# KiCad board Soldered Inkplate 4 TEMPERA with glass panel_panel.kicad_pcb (continued)
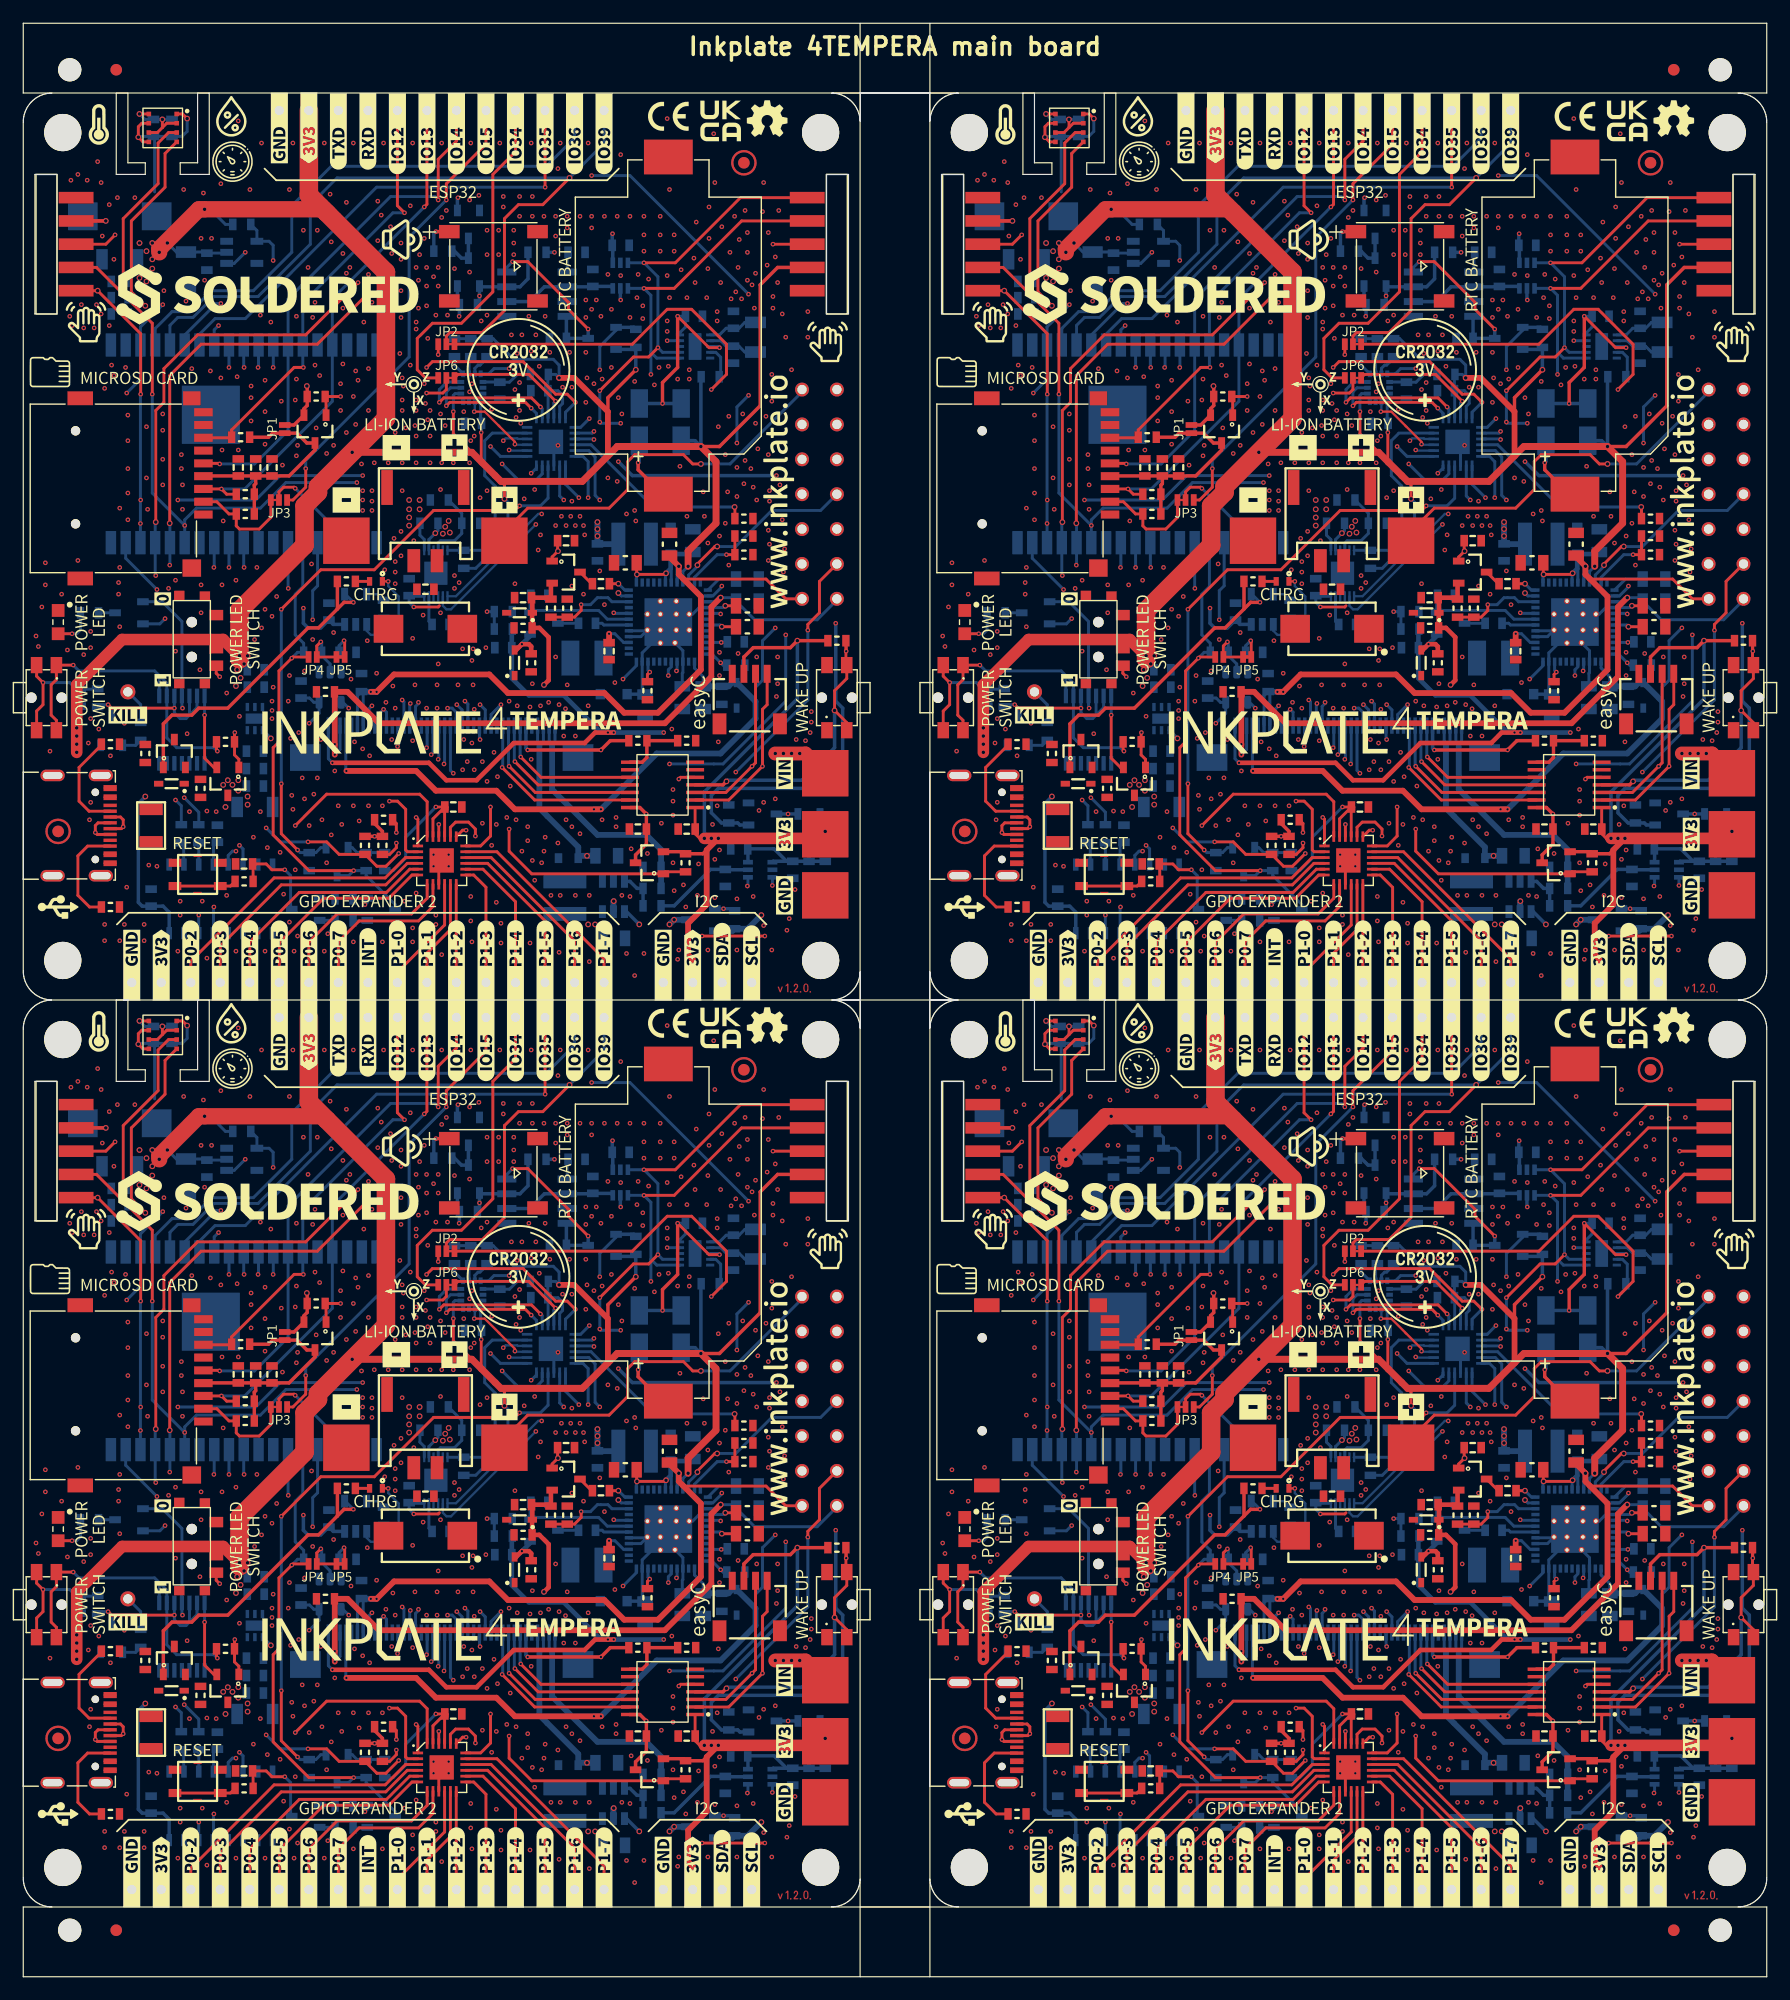
[diagram p0: board, top side]
## Routing (per net, layer and track width the routed paths; a pad name or vN(x,y) marks a point on that pad's centre or on a via; arc(x,y) is an arc through that point) (continued)
Board_2-VIN: length 153.3
  Top w0.5: C9#3.2 v1(50.4,37.5)
  Top w1.2: PAD3#2.1 67.3,27.2 v2(64.7,27.2)
  In2.Cu w0.4: v1(60.05,36.75) 60.9,35.9 60.9,31.7 58.9,29.7 56.9,29.7
  In2.Cu w0.5: v2(63.5,13.3) 63.5,18.1 66.7,21.3 66.7,25.2 v2(64.7,27.2) ; v1(50.4,37.5) 50.2,37.7 48.9,37.7
  In2.Cu w1.2: v2(18,24.5) 18,24.9 28.5,35.4 33.9,35.4 36.2,37.7 ; v2(49.4,47.1) 63.7,61.4 68.6,61.4 70,60 K1#4.7 ; v2(49.4,47.1) 49.4,45 47.4,43 41.5,43 36.2,37.7 ; v2(49.4,47.1) v2(49.4,46.5) ; 36.2,37.7 48.9,37.7 59.4,27.2 66.6,27.2
  Bottom w0.254: v1(60.05,36.75) 60.1,36.8 C6#4.2 60.52,36.75 v1(60.05,36.75) ; v1(60.05,36.75) U1#2.10 ; v1(50.4,37.5) 50.9,37.5 51.65,36.75 U1#2.27
  Bottom w0.3: U3.4 21.29,28.5 v2(21.3,28.5)
  Bottom w0.5: v2(63.5,13.3) 62.33,12.12 R53#2.2 61.03,11.95 Q12#2.2 ; v2(49.4,47.1) C10#3.2 49.43,45.2 L2#3.1
  vias: v2(17.2,24.5) v2(17.4,22.6) v2(17.6,24.9) v2(18.5,24.9) v2(18.5,24) v2(19.3,23.5) v2(19.3,22.8) v2(49.4,45.9) v2(65.4,27.2) v2(66.1,27.2) v2(66.8,27.2)
Board_2-VIN_BCK: length 11
  In1.Cu w0.5: v2(48.6,12.5) v2(53,12.5) v2(55.6,12.5) v2(56,12.9)
  Bottom w0.3: v2(53,12.5) 51.9,13.6 U12.4
  Bottom w0.5: Q12#2.3 v2(56,12.9) v2(55.6,12.5)
  vias: v2(49.2,12.5)
Board_2-VNEG: length 65.1
  Top w0.5: v2(60,40.6) 59.2,39.8 59.2,33.8 55.2,29.8 30.6,29.8 27.9,32.5 R6#3.1 26.8,32.47 v1(26.8,28) v1(26.8,27.1)
  Bottom w0.254: K1#4.1 70,40.4 68.3,38.7 62.92,38.7 C2#4.2 61.03,40.6 59.8,40.6 ; 59.8,40.6 v2(60,40.6) ; 59.8,40.6 59.45,40.25 U1#2.3 ; K12#2.38 27.25,27.55 v1(26.8,27.1) ; v1(26.8,28) 26.75,28.05 K12#2.39
Board_2-VPOS: length 62.7
  Top w0.254: 56.75,42.25 56.8,42.2 63.9,42.2 65.6,40.5 K1#4.14
  Top w0.5: 55.5,44.2 v2(56.4,43.3) 56.4,42.6 58.3,40.7 58.3,34.4 54.6,30.7 51.7,30.7 50,32.4 41.7,32.4 40.1,34 31.9,34 v1(30.4,32.5) v1(29.9,32.5)
  Bottom w0.254: v2(56.4,43.3) 56.25,43.15 U1#2.44 ; K12#2.35 28.75,32.18 R7#4.1 29.25,32.38 K12#2.34
  Bottom w0.5: v1(30.4,32.5) 29.13,32.5 R7#4.1
Board_2-VSYS: length 36.4
  In2.Cu w1.2: 33,48.6 v1(24.1,39.7) 20.5,36.1 20.5,33.7 15.7,28.9 v1(14.1,28.9)
  Bottom w0.254: R24#3.1 34.13,45.97 34.5,45.6 U5#4.7
  Bottom w0.3: U2#2.3 26.67,38.3 C67#4.2 26.27,38.67 25.6,38 24.5,38 24.1,38.4 v1(24.1,39.7)
  vias: v2(33.2,49) v2(33.2,48.2) v2(33.2,47.5) v2(33.2,46.8) v2(34.1,49) v2(34.1,48.2)
Board_2-VUSB: length 42
  Top w0.3: Q7#3.1 12.05,29.75 12.8,30.5 14.5,30.5 15.1,31.1 17.6,31.1 24.5,38 25.4,38 27.03,39.62 ; 27.03,39.62 R19#3.1 ; 27.03,39.62 27.6,40.2 v1(28.4,40.2)
  Bottom w0.254: v1(28.4,40.2) 27.7,40.9 U2#2.4
  Bottom w0.3: v2(10.5,23.5) 9.9,22.9 9.9,14.4 10.23,14.07 C32#2.2 12.03,14.07 12.56,13.54 U6#2.16
Board_2-WAKEUP: length 28.5
  Top w0.254: R3#4.1 61.23,48.38 v2(61.2,48.4)
  In1.Cu w0.254: v1(60,39.2) 60.7,39.2 61.6,40.1 61.6,48 v2(61.2,48.4)
  Bottom w0.254: v1(60,39.2) 59.95,39.25 U1#2.5 ; v2(61.2,48.4) 54.2,48.4 48.85,53.75 U13#2.4
Board_3-3V3: length 447
  Top w0.254: v1(118.2,22.6) 118.2,20.1 117.35,19.25 U15#3.18 ; U15#3.21 114.25,22.38 114.47,22.6 114.47,22.37 ; v2(89.97,81.73) 89.97,81.03 ; 89.97,81.03 89.54,80.6 U19#3.6 ; 89.97,81.03 90.34,81.4 U19#3.2 ; v1(113.5,22.6) C59#2.2 113.25,21.58 U15#3.23 ; 118.6,51.1 119.4,50.3 v2(119.4,49.1) ; U19#3.8 v2(88,82.2) ; 117.45,52.25 117.4,52.3 v1(117.4,54.8) ; v1(115,56.6) 115,54.7 116.6,53.1 ; v2(136.6,19.9) 136.2,19.9 135.81,20.29 C42.2 135.8,20.71 U10#4.1
  Top w0.3: 136.8,18.9 136.48,18.57 R52#3.1 134.8,18.75 Q11#2.2 ; v2(102.4,58.8) 102.43,58.78 R39#3.1 102.43,57.12 102.15,56.85 Q8#3.2 101.3,55.45 JP1#2.2 ; v2(130.7,60.2) 128.3,57.8 128.3,56.6 ; R41.2 v2(144.6,36.9) 144,36.3 140.8,36.3 140,35.5 K4.3 ; 89.13,69.72 v2(89.1,69.7) ; R55#2.1 108.23,21.18 108.9,20.5 R1#4.2 R2#2.2 ; K43#2.4 142.9,69 141.4,67.5 141.4,57.1 137.9,53.6 v2(136.3,53.6)
  Top w0.32: K42.4 v2(85.1,73)
  Top w0.5: v2(137.8,19.9) 136.8,18.9 136.8,14.2 135.2,12.6 135.2,9.9 135.59,9.51 K5#2.1 ; v2(124.1,59.5) 125.4,59.5 128.3,56.6 128.3,52.8
  Top w0.6: v2(106.3,53.1) 116.6,53.1 119.1,50.6 126.1,50.6 129.1,53.6 v2(136.3,53.6) 137.6,52.3 137.6,47 135.2,44.6 v2(135.2,43.3)
  Top w1: v2(136.6,19.9) 146.65,19.9 PAD4#3.1 ; v2(82.6,27.3) 82.6,33.1 86.5,37 95.2,37 v2(96.6,35.6)
  Top w1.4: v2(89.7,70.3) 89.7,70.6 93.1,74 v2(93.6,74) 103.8,74 104.1,73.7
  Top w1.6: K13.1 102.57,75.23 109.2,68.6 109.2,56 103.35,50.15 103.35,49.65 102.2,48.5 102.2,45.1 96.6,39.5 96.6,35.3
  In1.Cu w0.254: v2(93.6,74) 92.5,74 89.97,76.53 v2(89.97,81.73)
  In1.Cu w0.3: v2(93.6,74) 93.3,73.7 85.8,73.7 v2(85.1,73) ; v2(106.3,53.1) 102.4,57 v2(102.4,58.8)
  In1.Cu w1: 88.5,16.1 104.1,16.1 110.6,22.6 v1(113.5,22.6) 125.1,22.6 127.8,19.9 v2(137.8,19.9) ; 88.5,16.1 89.87,14.73 K22#3.1 ; 88.5,16.1 85.3,19.3 83.1,19.3 82.6,19.8 v2(82.6,29.4)
  Bottom w0.254: U4#3.2 95.43,70.23 C27#4.2 93.71,70.33 C25#3.2 91.18,70.33 v2(90.4,71.1) ; U17#4.5 118.98,59.15 C61#4.2 119.83,59.13 120.4,59.7 120.4,60.6 120.9,61.1 ; U13#3.23 124.15,57.05 124.4,57.3 124.4,58 124,58.4 123.03,58.4 123.15,58.28 U13#3.21 ; U17#4.8 117.35,55.68 C63.2 117.43,54.83 v1(117.4,54.8) ; 120.9,61.1 123.6,61.1 124.1,60.6 v2(124.1,59.5) 123.8,59.8 R54#4.1 123.13,59.75 C53.2 ; 120.9,61.1 120.2,61.1 118.43,62.88 R58.1 R56#4.1 ; v2(88,82.2) 88.47,81.73 C64#3.2 C65#3.2 ; v1(115,56.6) 115,58 115.15,58.15 U17#4.12 ; R21#2.2 109.83,17.12 110.9,18.2 110.9,20 v1(113.5,22.6) ; v2(93.6,74) 94.1,74 95.4,72.7 R27#3.2 ; U1#3.45 134.75,42.85 v2(135.2,43.3) ; v2(119.4,49.1) 119.7,48.8 119.7,45.9 116.93,43.12 R26#4.1
  Bottom w0.3: v2(130.7,60.2) R60#3.1 130.53,61.95 Q13#3.2 ; R40#4.2 136.3,59.58 v2(136.3,53.6) 135.8,54.1 D11#2.1 135.7,54.1 ; Q9#2.2 146.55,20.95 v2(147,20.5) ; v2(136.6,19.9) 136.6,23.9 144.6,31.9 v2(144.6,36.9)
  vias: v1(108.23,20.07) v2(82.6,28.7) v2(82.6,28) v2(88,71.1) v2(88,68.1) v2(88.6,70.4) v2(88.6,67.8) v2(89.1,71.1) v2(89.1,68.9) v2(96.3,33) v2(96.4,34.4) v2(96.7,33.7) v2(97,34.9) v2(97.3,35.6) v2(137.2,19.9)
Board_3-3V3-EINK: length 81.9
  Top w0.254: v2(137.7,45) 137.5,45 136,43.5 v2(136,43.4)
  In1.Cu w0.254: v1(102.6,29.8) 102.6,26.8 104.3,25.1 113.8,25.1 116.1,27.4
  In1.Cu w0.5: v1(109,31) 110.9,29.1 113.7,29.1 115.4,27.4 117.7,27.4 120.5,30.2 126.5,30.2 128.4,32.1 131.7,32.1 132.7,33.1 132.7,34.5 133.3,35.1 134.9,35.1 136.4,36.6 136.4,43 v2(136,43.4)
  Bottom w0.254: K12#3.31 108.75,30.75 v1(109,31) 109.25,30.75 K12#3.30 ; K1.4 146.6,48.1 142.4,48.1 139.3,45 v2(137.7,45) ; U1#3.46 135.25,42.55 136,43.3 v2(136,43.4) ; v1(102.6,29.8) 103.45,30.65 U11.5 103,31.6 102.63,31.97 C51.2
Board_3-3V3_BUZZER: length 42.8
  Top w0.254: v1(126.6,63.7) 124.9,65.4 124.9,66 121.4,69.5 v1(120.1,69.5)
  In1.Cu w0.3: v1(115.5,64.8) 116.6,63.7 v1(126.6,63.7) 128,63.7 130.1,65.8 130.1,70.5 v1(128.7,71.9)
  Bottom w0.254: v1(120.1,69.5) 119.6,69 U18#4.4
  Bottom w0.3: U16.1 128.72,70.85 C60#4.2 128.67,71.87 v1(128.7,71.9) ; Q14.2 115.35,65.97 R61#3.2 115.53,64.83 v1(115.5,64.8) ; U18#4.8 124.73,64.72 C66#2.2 Q13#3.3 v1(126.6,63.7)
Board_3-3V3_MICROSD: length 20.6
  Top w0.3: K10.4 93.52,51.07 C41#3.2 C40#3.2 ; C40#3.2 98,50.4 97.88,50.28 R43#3.2 R42.2 ; C40#3.2 C39.2 100.87,51.07 103.1,53.3 Q8#3.3 102.4,53.9 101.55,54.75 JP1#2.1 99.45,54.75 99.1,54.4 R44.2
Board_3-3V3_RTC: length 19.7
  Top w0.254: v1(134.3,64.8) 137,62.1 v1(137.9,62.1)
  Top w0.3: v1(133,57.3) 133,59.1 134.3,60.4 v1(134.3,64.8)
  Bottom w0.254: v1(137.9,62.1) 137.8,62.2 U8#4.3 ; U8#4.10 134.5,63.4 134.97,63.87 C38.2 v1(134.3,64.8)
  Bottom w0.3: D12#4.2 D11#2.2
Board_3-3V3_TOUCH: length 24.5
  Top w0.3: U10#4.14 131.05,22.55 131.61,21.99 C49#3.1 131.61,19.41 130.68,18.48 Q11#2.3 ; R46.2 128.5,28.3 v1(127.7,27.5) v1(121.4,27.5)
  In2.Cu w0.3: v1(131.6,22) 131.6,23.6 v1(127.7,27.5)
  Bottom w0.3: v1(121.4,27.5) 121.25,27.65 K12#3.6
Board_3-/CTRL & COMS/BIN: length 6.3
  Bottom w0.254: U5#3.10 113.7,45.3 113.9,45.5 115.1,45.5 115.73,46.12 R28#4.1 115.73,47.85 R25#3.2
Board_3-/CTRL & COMS/CH_RXD: length 1.9
  Bottom w0.254: U6#4.3 93.1,17.66 R34#2.1
Board_3-/CTRL & COMS/CH_TXD: length 2
  Bottom w0.254: R35.1 91.8,19.32 91.8,17.68 U6#4.2
Board_3-/CTRL & COMS/DTR: length 17.2
  In1.Cu w0.254: v1(107.4,14.2) 94.6,14.2 v1(94.4,14)
  Bottom w0.254: v1(107.4,14.2) 107.6,14.4 Q3#2.2 106.43,14.75 R29#3.2 ; v1(94.4,14) 94.37,13.97 U6#4.13
Board_3-/CTRL & COMS/RTS: length 16
  In1.Cu w0.254: v1(104.2,11.7) 102.6,13.3 v1(93.1,13.3)
  Bottom w0.254: U6#4.14 93.1,13.29 v1(93.1,13.3) ; Q2.2 104.78,12.85 R30.2 104.83,12.32 v1(104.2,11.7)
Board_3-/E-paper/DAC_OUT: length 8.8
  Bottom w0.3: U9#3.5 138.43,17.2 C48.2 137.13,17.23 134,14.1 R50#2.2
Board_3-/MCU & GPIO Expanders/GPIO34: length 28.8
  Top w0.254: v1(112.7,58.2) 114.1,58.2 114.4,58.5 JP6#4.2
  In1.Cu w0.254: v1(112.7,58.2) 107,58.2 99.3,65.9 v1(95,65.9)
  Bottom w0.254: v1(95,65.9) 94.6,65.9 91.89,63.19 U14#4.6
Board_3-/MCU & GPIO Expanders/INTB: length 11.8
  Top w0.254: JP6#4.1 115.4,59.8 v1(121,59.8) 121.5,59.8 v1(123.8,57.5)
  Bottom w0.254: v1(121,59.8) 121.53,59.8 ; U13#3.22 123.65,57.35 v1(123.8,57.5)
Board_3-/POWER/INT_LDO: length 2.2
  Top w0.254: v2(138.1,38.1) 139.03,38.1
  Bottom w0.254: U1#3.7 137.95,38.25 v2(138.1,38.1)
Board_3-/POWER/TS: length 6.3
  Top w0.254: R12.2 R11#2.2 v1(138.5,44.3)
  Bottom w0.254: U1#3.47 135.75,42.35 137.7,44.3 v1(138.5,44.3)
Board_3-/POWER/VB: length 10.7
  Top w0.254: C12.2 130.78,42.62 v2(130.8,42.6) 133.2,42.6 v2(133.3,42.7)
  Bottom w0.254: U1#3.43 133.75,43.05 133.7,43.1 133.25,42.65 U1#3.42 ; U1#3.37 130.75,42.55 v2(130.8,42.6)
  Bottom w0.4: C11#2.2 135.43,44.35 D2#3.1 133.7,43.1 v2(133.3,42.7)
Board_3-/POWER/VN: length 19
  Top w0.254: C3.2 v2(138.4,39.9)
  Bottom w0.254: v2(138.4,39.9) 138.25,39.75 U1#3.4 136.15,39.75 135.59,39.19 U1#3.49 ; U1#3.29 131.64,37.75 U1#3.49 131.14,37.25 U1#3.28 ; U1#3.49 134.75,36.04 U1#3.16 134.75,34.15 134.7,34.1 C8#4.2 ; 131.48,32.3 C5#4.2 131.25,32.53 U1#3.23 131.25,35.85 132.1,36.7 U1#3.49
  Bottom w0.3: D1#3.2 131.48,32.3
Board_3-/POWER/VREF: length 2.8
  Bottom w0.254: C1.2 137.85,42.2 U1#3.1
Board_3-/SD & RTC/X1: length 4.3
  Bottom w0.254: U8#4.1 137.9,63.2 138.47,63.77 C36#4.2 139.58,63.77 140.09,64.28 X1.1
Board_3-/SD & RTC/X2: length 4.3
  Bottom w0.254: X1.2 140.08,61.72 139.57,62.23 C37#3.2 138.47,62.23 138,62.7 U8#4.2
Board_3-BACKLIGHT_EN: length 68.7
  In1.Cu w0.3: v1(147.9,38.4) 146.5,39.8 146.5,50.4 145.8,51.1 v1(142.8,51.1)
  In2.Cu w0.3: v1(129.2,52.3) 122.7,52.3 v1(121.7,51.3)
  Bottom w0.254: v1(121.7,51.3) 122.15,51.75 U13#3.12
  Bottom w0.3: v1(142.8,51.1) 130.4,51.1 v1(129.2,52.3) ; Q10#3.1 139.65,21.05 139.48,21.22 R51#3.2 138.08,21.22 137.2,22.1 137.2,23.6 137.8,24.2 145.3,24.2 148.5,27.4 148.5,31.1 147.9,31.7 v1(147.9,38.4)
Board_3-BCK_ANODE: length 22.7
  In1.Cu w0.5: v2(128.8,14.5) 126.5,16.8 v2(126.5,18.4)
  Bottom w0.254: K12#3.4 122.25,28.05 122.4,27.9 122.75,28.25 K12#3.3
  Bottom w0.5: v2(128.8,14.5) 128.78,14.47 U12#3.5 ; 122.4,27.9 122.4,22.5 125.75,19.15 D13#2.2 125.95,18.4 C50#4.2 v2(126.5,18.4)
Board_3-BCK_CATHODE: length 22.3
  Bottom w0.254: K12#3.2 123.25,28.15 123.5,27.9 123.75,28.15 K12#3.1
  Bottom w0.5: R49#4.1 R48.2 132.88,18.93 131.6,20.2 127.4,20.2 123.5,24.1 123.5,27.9
Board_3-BCK_MOS: length 14.1
  In1.Cu w0.3: v1(143.8,22) 138.25,16.45 v1(138.25,13.85)
  Bottom w0.3: Q9#2.1 v1(143.8,22) Q10#3.3 ; Q12#3.1 139.03,13.85 R53#4.1
Board_3-BUZZER_EN: length 20.5
  In1.Cu w0.254: v1(127.6,60.2) 122.8,60.2 119.8,57.2 v1(119.8,53.3)
  Bottom w0.2: U13#3.14 119.85,53.25
  Bottom w0.254: Q13#3.1 129,63.6 127.6,62.2 v1(127.6,60.2) ; v1(119.8,53.3) 119.85,53.25
  Bottom w0.3: Q13#3.1 130.53,63.85 R60#3.2
Board_3-CLKOUT_RTC: length 22.2
  Top w0.254: v1(113.7,61.5) JP2#2.1
  In1.Cu w0.254: v1(113.7,61.5) 114.9,62.7 v1(133.4,62.7)
  Bottom w0.254: U8#4.9 v1(133.4,62.7)
Board_3-D+: length 17.8
  Top w0.254: K2#4.A6 84.44,21.24 84.2,21 v1(84.2,20.4) 84.36,20.24 K2#4.B6
  In1.Cu w0.254: v1(84.2,20.4) 85.9,20.4 87.67,18.63 96.14,18.63 v1(96.3,18.8)
  Bottom w0.254: v1(96.3,18.8) 96,18.8 95.64,18.44 U6#4.5
Board_3-D-: length 15.5
  Top w0.254: K2#4.A7 86.44,20.74 v1(86.6,20.9) 86.6,21.5 86.36,21.74 K2#4.B7
  In1.Cu w0.254: v1(86.6,20.9) 88.2,19.3 v1(96.6,19.3)
  Bottom w0.254: U6#4.6 96.91,19 v1(96.6,19.3)
Board_3-EPD_CKV: length 48
  In1.Cu w0.254: v1(94.8,64) 98.7,64 100.8,61.9 100.8,49.8 117.3,33.3 v1(117.3,31.4)
  Bottom w0.254: K12#3.13 117.75,30.95 v1(117.3,31.4) ; v1(94.8,64) 94.43,63.63 U14#4.8
Board_3-EPD_CL: length 8.4
  In1.Cu w0.254: v1(106,31.1) 106,30.84 109.04,27.8 v1(110.2,27.8)
  Bottom w0.254: v1(110.2,27.8) 110.25,27.85 K12#3.28 ; U11.4 105.5,31.6 v1(106,31.1)
Board_3-EPD_D0: length 25.8
  In1.Cu w0.254: v1(112.7,27.7) 111.4,27.7 108.9,30.2 108,30.2 100.8,37.4 v1(100.8,41.4)
  Bottom w0.254: K12#3.23 112.75,27.75 v1(112.7,27.7) ; U14#4.26 100.78,41.42 v1(100.8,41.4)
Board_3-EPD_D1: length 29.8
  In1.Cu w0.254: v1(113.1,27.1) 109.2,27.1 102.9,33.4 102.9,34.4 97,40.3 v1(97,43.2)
  Bottom w0.254: v1(97,43.2) 96.97,43.23 U14#4.29 ; v1(113.1,27.1) 113.25,27.25 K12#3.22
Board_3-EPD_D2: length 32
  In1.Cu w0.254: v1(95.7,43.2) 95.7,40 109.3,26.4 113.4,26.4 v1(113.7,26.7)
  Bottom w0.254: U14#4.30 v1(95.7,43.2) ; v1(113.7,26.7) 113.75,26.75 K12#3.21
Board_3-EPD_D3: length 35
  In1.Cu w0.254: v1(114.2,26.3) 113.6,25.7 108,25.7 94.4,39.3 v1(94.4,43.2)
  Bottom w0.254: v1(114.2,26.3) 114.25,26.35 K12#3.20 ; U14#4.31 94.43,43.23 v1(94.4,43.2)
Board_3-EPD_D4: length 44.9
  In1.Cu w0.254: v1(115,25.5) 114,24.5 101.7,24.5 89.5,36.7 v1(89.5,41.3)
  Bottom w0.254: K12#3.19 114.75,25.75 v1(115,25.5) ; U14#4.37 86.81,43.99 v1(89.5,41.3)
Board_3-EPD_D5: length 40.5
  In1.Cu w0.254: v1(97,60.4) 97,48.6 v1(114.5,31.1)
  Bottom w0.254: K12#3.18 115.25,30.75 114.9,31.1 v1(114.5,31.1) ; U14#4.10 96.97,60.43 v1(97,60.4)
Board_3-EPD_D6: length 40
  In1.Cu w0.254: v1(98.2,60.4) 98.2,49.5 115.3,32.4 v1(115.3,31.4)
  Bottom w0.254: K12#3.17 115.75,30.95 v1(115.3,31.4) ; U14#4.11 98.24,60.44 v1(98.2,60.4)
Board_3-EPD_D7: length 39.7
  In1.Cu w0.254: v1(116,31.7) 116,33.3 99.5,49.8 v1(99.5,60.4)
  Bottom w0.254: v1(99.5,60.4) 99.51,60.41 U14#4.12 ; v1(116,31.7) 116.25,31.45 K12#3.16
Board_3-EPD_GMODE: length 34.1
  In1.Cu w0.254: v1(127.1,54.9) 126,54.9 118.5,47.4 118.5,29.6 v1(117.3,28.4)
  Bottom w0.254: K12#3.14 117.25,28.45 v1(117.3,28.4) ; v1(127.1,54.9) 126.95,54.75 U13#3.2
Board_3-EPD_LE: length 19.6
  In1.Cu w0.254: v1(102.9,38.7) 109.8,31.8 v1(110.6,31.8)
  Bottom w0.254: K12#3.27 110.75,31.65 v1(110.6,31.8) ; U14#4.24 103.32,41.62 102.9,41.2 v1(102.9,38.7)
Board_3-EPD_OE: length 41.2
  In1.Cu w0.254: v1(111.3,31.5) 111.3,30.9 111.9,30.3 117.1,30.3 117.9,31.1 117.9,33.9 117.3,34.5 117.3,48.1 125.2,56 v1(126.7,56)
  Bottom w0.254: v1(126.7,56) 125.95,55.25 U13#3.1 ; K12#3.26 111.25,31.45 v1(111.3,31.5)
Board_3-EPD_SPH: length 39.6
  In1.Cu w0.254: v1(95.7,60.4) 95.7,47.9 v1(112,31.6)
  Bottom w0.254: v1(112,31.6) 112,31.5 111.75,31.25 K12#3.25 ; U14#4.9 v1(95.7,60.4)
Board_3-EPD_SPV: length 29.9
  In1.Cu w0.254: v1(119.1,31.4) 119.1,46.2 v1(127.1,54.2)
  Bottom w0.254: K12#3.12 118.25,30.55 v1(119.1,31.4) ; U13#3.3 127.05,54.25 v1(127.1,54.2)
Board_3-GND: length 18.8
  Top w0.254: U19#3.7 88.2,81.4 87.9,81.1 v2(87.9,80.2) 88.3,79.8 U19#3.5 ; U15#3.9 113.75,17.75 U15#3.25 ; v2(92.1,81.8) 91.7,82.2 U19#3.1
  Bottom w0.254: 89.3,75.5 89.3,80.17 C64#3.1 ; v2(92.1,81.8) 92.1,80.7 91.67,80.27 C65#3.1 C64#3.1 ; C64#3.1 87.97,80.27 v2(87.9,80.2) ; U13#3.25 123.65,53.75 U13#3.9 ; 83.2,73.4 C54#4.2
  vias: v1(79.1,37.3) v1(79.3,36.4) v1(79.6,39.8) v1(79.9,43.6) v1(79.9,41.7) v1(80.3,27.4) v1(81.3,40.9) v1(81.8,36.1) v1(82,64.8) v1(82.1,76.5) v1(82.2,64) v1(82.7,77) v1(82.7,43.8) v1(83,65.8) v1(83.2,63.8) v1(83.2,35.7) v1(83.5,76.5) v1(83.6,28.1) v1(83.7,21.5) v1(83.8,37.7) v1(83.8,36.3) v1(83.8,30.2) v1(83.8,23) v1(84.1,63.8) v1(84.3,65.8) v1(84.4,78.1) v1(84.5,29.3) v1(84.7,76.3) v1(84.7,65) v1(84.8,71.7) v1(85,58.6) v1(85,12.5) v1(85,11.1) v1(85.4,74.4) v1(85.4,64) v1(85.5,27) v1(85.6,60.6) v1(85.8,69.7) v1(85.8,59.7) v1(86.1,75) v1(86.2,41.9) v1(86.2,40.9) v1(86.3,48.3) v1(86.3,43.2) v1(86.3,38.1) v1(86.3,11.1) v1(86.7,29.8) v1(86.7,12.5) v1(86.8,60.4) v1(86.9,15.7) v1(87,56.3) v1(87,54.1) v1(87,51.7) v1(87,49.6) v1(87,47.3) v1(87.6,75) v1(88.4,12.5) v1(88.4,11.1) v1(88.6,55.3) v1(88.6,50.9) v1(88.7,48.2) v1(88.8,17.6) v1(89.5,17.5) v1(90,56.4) v1(90,55) v1(90,52.5) v1(90,50.3) v1(90.1,67) v1(90.5,41.4) v1(91.1,42.1) v1(91.1,36) v1(91.3,10.2) v1(91.5,14.5) v1(91.5,13.3) v1(91.6,52.9) v1(91.6,51.7) v1(91.7,50.3) v1(91.7,48.2) v1(91.8,75.7) v1(92,66.1) v1(92.3,22.2) v1(92.5,60.3) v1(93.2,34.4) v1(93.3,71.5) v1(93.3,41.7) v1(93.3,39.3) v1(93.4,14.5) v1(93.5,75.4) v1(93.6,67.9) v1(93.8,22.25) v1(93.8,9.6) v1(94.1,60.1) v1(94.2,71.5) v1(94.6,22.2) v1(95,76.2) v1(95,59.5) v1(95.1,53.3) v1(95.1,41.7) v1(95.2,47.2) v1(95.5,32.4) v1(95.5,15) v1(96.3,42.1) v1(96.3,10.2) v1(96.4,59.6) v1(96.5,81.6) v1(96.5,53.3) v1(96.6,30.4) v1(97.5,75.7) v1(97.6,58.8) v1(97.6,57.8) v1(97.6,55.8) v1(97.9,37) v1(98.1,43.2) v1(98.4,64.9) v1(98.4,22.2) v1(98.5,79.7) v1(98.5,38) v1(98.8,59.3) v1(98.8,56.6) v1(98.8,53.8) v1(98.8,39.6) v1(98.8,10.2) v1(99,19.1) v1(99.3,64.3) v1(99.4,39) v1(99.4,31.7) v1(99.4,30.9) v1(99.4,30.2) v1(99.5,32.9) v1(99.8,40.7) v1(100.1,18.7) v1(100.2,57.5) v1(100.3,52) v1(100.4,15.1) v1(100.8,31.7) v1(100.9,75.7) v1(100.9,33.9) v1(100.9,12.7) v1(101,28.5) v1(101.1,23.6) v1(101.2,79.7) v1(101.2,22.4) v1(101.3,10.2) v1(101.4,57.6) v1(101.4,17.2) v1(101.5,64.8) v1(101.5,59.4) v1(101.5,52.8) v1(101.6,53.7) v1(101.6,11.5) v1(101.7,29) v1(102,25.1) v1(102.1,72.2) v1(102.2,34.3) v1(102.2,23.3) v1(102.5,69) v1(102.6,21) v1(102.8,43.5) v1(102.9,64.7) v1(102.9,37) v1(103,23.7) v1(103.1,66) v1(103.1,60.6) v1(103.2,55.2) v1(103.3,72.2) v1(103.3,25.1) v1(103.5,59.7) v1(103.6,28.4) v1(103.7,21.5) v1(103.9,79.7) v1(103.9,10.2) v1(104.1,53) v1(104.1,17.8) v1(104.4,75.3) v1(104.5,71.2) v1(104.7,53.7) v1(104.7,37.6) v1(104.8,25.7) v1(105.1,22.7) v1(105.3,59) v1(105.3,56.7) v1(105.4,21.1) v1(105.5,70.2) v1(105.5,65.5) v1(105.5,60.7) v1(105.8,74.6) v1(105.8,68.5) v1(105.8,54.8) v1(106.1,69) v1(106.2,33.6) v1(106.4,79.7) v1(106.4,57.9) v1(106.4,22.7) v1(106.4,11) v1(106.5,28.2) v1(106.6,60.1) v1(106.6,55.5) v1(106.8,59.3) v1(106.9,21.4) v1(107.1,52.1) v1(107.2,49.8) v1(107.2,49) v1(107.2,48.1) v1(107.2,27.6) v1(107.3,64.3) v1(107.6,36.9) v1(107.7,60.3) v1(107.7,56.7) v1(107.7,22.7) v1(107.8,27) v1(108,66) v1(108,49.8) v1(108,48.9) v1(108,48.1) v1(108.2,52.2) v1(108.4,34.1) v1(108.5,74.7) v1(108.5,71.3) v1(108.8,73.5) v1(108.9,22.7) v1(108.9,11) v1(109,79.7) v1(109.1,43) v1(109.2,31.6) v1(109.4,52.2) v1(109.6,72.5) v1(109.7,70.2) v1(109.7,28.4) v1(109.8,33) v1(109.9,45.7) v1(110,54.8) v1(110,43.7) v1(110,42.8) v1(110,41.8) v1(110,31.1) v1(110.4,61.6) v1(110.5,71.1) v1(110.5,69.7) v1(110.5,67) v1(110.5,64.7) v1(110.5,46.3) v1(110.5,44.2) v1(110.6,59.5) v1(110.6,57.6) v1(110.6,56.7) v1(110.6,52.2) v1(110.6,49.8) v1(110.7,58.8) v1(110.8,14.5) v1(110.9,55.2) v1(111.3,74.3) v1(111.3,60.6) v1(111.5,79.7) v1(111.5,37.1) v1(111.5,28.3) v1(111.5,12.2) v1(111.5,11) v1(111.6,45.5) v1(111.7,55.4) v1(111.7,33.1) v1(111.8,69) v1(111.8,64.3) v1(111.8,63.7) v1(111.8,57.6) v1(111.8,56.7) v1(111.8,54.5) v1(111.8,52.2) v1(111.8,15.2) v1(112,67.9) v1(112,65.5) v1(112.1,70.1) v1(112.4,39.1) v1(112.5,71.5) v1(112.5,59) v1(112.6,57.3) v1(112.7,69) v1(112.7,67.4) v1(112.7,65.7) v1(112.7,31.1) v1(112.8,62.9) v1(112.8,55.9) v1(113,56.7) v1(113,54.5) v1(113,52.2) v1(113.3,68.2) v1(113.3,18.5) v1(113.3,17.5) v1(113.5,64.9) v1(113.5,13.3) v1(113.5,12.5) v1(113.6,33.1) v1(113.6,31.1) v1(113.7,69) v1(113.7,67.4) v1(113.7,34.9) v1(113.9,56.4) v1(113.9,49.9) v1(113.9,39.3) v1(114,79.7) v1(114,73.3) v1(114,52.2) v1(114,9.9) v1(114.3,55.4) v1(114.4,73.9) v1(114.5,64.9) v1(114.6,18.5) v1(114.6,17.5) v1(115,52.2) v1(115.1,68.9) v1(115.1,42.5) v1(115.1,41.4) v1(115.4,33.1) v1(115.5,41.9) v1(115.8,36.2) v1(115.8,25.8) v1(115.9,56.6) v1(115.9,28.4) v1(116.2,26.5) v1(116.4,74.8) v1(116.4,68.6) v1(116.4,58.3) v1(116.4,52.2) v1(116.5,79.7) v1(116.5,54.1) v1(116.5,14.9) v1(116.5,12.8) v1(116.6,59) v1(116.6,35.2) v1(116.6,28.1) v1(116.6,11) v1(116.7,36.2) v1(116.7,33.1) v1(116.8,54.5) v1(116.8,31) v1(116.8,25.8) v1(117.2,75.2) v1(117.3,49.2) v1(117.4,64.4) v1(117.5,26.5) v1(117.5,21.2) v1(117.8,36.3) v1(117.9,72.2) v1(117.9,70.1) v1(117.9,64.9) v1(117.9,49.8) v1(117.9,24.8) v1(118.3,56.8) v1(118.3,19.3) v1(118.5,27.3) v1(118.7,21.1) v1(118.7,14.4) v1(118.8,25.2) v1(118.9,72.2) v1(118.9,70.1) v1(119,79.7) v1(119.1,12.6) v1(119.1,10.9) v1(119.3,75.1) v1(119.3,74.2) v1(119.6,21.7) v1(119.8,31.7) v1(119.9,24.4) v1(120,63.2) v1(120.2,72.2) v1(120.2,71.1) v1(120.2,70.1) v1(120.3,58.5) v1(120.3,41.8) v1(120.4,56.1) v1(120.4,21.5) v1(120.5,61.6) v1(120.5,31.3) v1(120.7,75.1) v1(120.7,73.4) v1(120.7,59.1) v1(120.7,56.7) v1(120.8,55.6) v1(120.9,63.2) v1(120.9,18.8) v1(121.1,49.1) v1(121.4,20.9) v1(121.4,19.7) v1(121.5,64.8) v1(121.6,31.2) v1(121.6,10.9) v1(121.7,79.7) v1(121.7,61.8) v1(121.7,26.7) v1(121.8,75.1) v1(121.8,73.4) v1(121.8,33.2) v1(121.8,18) v1(122,49.9) v1(122,16.3) v1(122.1,63.2) v1(122.3,44.7) v1(122.4,60.5) v1(122.5,46) v1(122.5,31.3) v1(122.6,17.8) v1(122.8,73.4) v1(122.8,18.8) v1(122.9,64.8) v1(122.9,20) v1(123.2,31.6) v1(123.3,61.7) v1(123.4,15) v1(123.8,73.4) v1(123.8,71.7) v1(123.8,46.8) v1(123.8,35.5) v1(124,77.5) v1(124,53.7) v1(124,19.5) v1(124.1,31.4) v1(124.1,10.1) v1(124.2,79.7) v1(124.2,15) v1(124.3,47.6) v1(124.4,58.7) v1(124.5,28.7) v1(124.7,46.8) v1(124.65,31.05) v1(124.7,21.5) v1(124.8,73.4) v1(124.8,72.4) v1(124.8,33.1) v1(125,61.7) v1(125.1,47.6) v1(125.2,58.7) v1(125.2,48.9) v1(125.2,41.6) v1(125.2,20.9) v1(125.5,46.8) v1(125.5,28.7) v1(125.5,15) v1(125.9,73.4) v1(125.9,47.6) v1(125.9,20.3) v1(126.2,46.8) v1(126.2,40.9) v1(126.3,46) v1(126.4,66.2) v1(126.4,64.7) v1(126.4,61.7) v1(126.4,57.4) v1(126.5,59.5) v1(126.6,79.7) v1(126.6,31.3) v1(126.7,15) v1(126.7,9.3) v1(126.9,73.4) v1(126.9,72.4) v1(126.9,65.4) v1(127.1,59) v1(127.3,66.2) v1(127.6,42.9) v1(127.7,64.8) v1(127.8,59.4) v1(127.8,21.5) v1(128,73.4) v1(128,40) v1(128.3,68.4) v1(128.3,50.9) v1(128.6,65.4) v1(128.6,60.4) v1(128.9,33.3) v1(129,21.7) v1(129,20.9) v1(129.1,73.4) v1(129.1,50.6) v1(129.2,57.8) v1(129.4,78.7) v1(129.4,68.3) v1(129.5,56.4) v1(129.5,15) v1(129.9,47.8) v1(129.9,10) v1(130.2,73.4) v1(130.2,64.7) v1(130.2,14.9) v1(130.3,19) v1(130.6,59.2) v1(130.6,48.1) v1(130.6,8.1) v1(130.7,47.2) v1(130.8,66.4) v1(130.9,68.4) v1(131.3,65.7) v1(131.3,64.6) v1(131.4,73.4) v1(131.4,71.8) v1(131.4,70.4) v1(131.4,10) v1(131.7,18.6) v1(131.8,68) v1(132.3,58.9) v1(132.7,60.4) v1(132.8,73.4) v1(132.8,71.8) v1(132.8,70.4) v1(132.9,21.2) v1(133.4,81.8) v1(133.4,68.3) v1(133.4,64.4) v1(133.4,63.5) v1(133.5,60.5) v1(133.6,75.7) v1(133.6,66.4) v1(133.8,29.3) v1(133.9,24.1) v1(133.9,23.1) v1(133.9,21.9) v1(133.9,17.8) v1(134,71.8) v1(134,70.4) v1(134,15.4) v1(134.3,59.4) v1(134.3,9.5) v1(134.4,10.3) v1(134.5,51.9) v1(134.6,68.8) v1(134.8,15.9) v1(135,14) v1(135.1,66.4) v1(135.1,47.6) v1(135.3,60.2) v1(135.3,59.4) v1(135.7,69.8) v1(135.8,67.7) v1(135.9,72.9) v1(136,15) v1(136.1,17.7) v1(136.5,49.7) v1(136.6,47.6) v1(136.8,66.4) v1(136.9,68.9) v1(136.9,45.3) v1(136.9,10.3) v1(137,74.2) v1(137,71.5) v1(137.3,21.1) v1(137.4,80.5) v1(137.5,76.3) v1(137.5,18.1) v1(137.5,14.8) v1(137.7,65.2) v1(137.7,64.4) v1(137.7,22.7) v1(137.8,55.3) v1(137.8,28.2) v1(137.9,45.9) v1(137.9,35.9) v1(137.9,33.9) v1(137.9,18.9) v1(138,67.7) v1(138.1,72.5) v1(138.4,52.9) v1(138.4,47) v1(138.6,49.7) v1(138.7,56.2) v1(138.7,43.4) v1(138.8,70.3) v1(138.9,66.3) v1(139.2,73.4) v1(139.3,66.9) v1(139.4,51.8) v1(139.4,49.3) v1(139.4,14.7) v1(139.4,10.3) v1(139.5,69) v1(139.5,35.8) v1(139.6,71.4) v1(139.8,66.3) v1(139.9,56.4) v1(140,50.4) v1(140.1,73.9) v1(140.1,52.4) v1(140.3,72) v1(140.3,70.3) v1(140.3,67.9) v1(140.6,51.7) v1(140.7,67.5) v1(140.8,50.1) v1(140.8,14.9) v1(140.9,65.5) v1(141,68.5) v1(141,55.6) v1(141.1,49) v1(141.1,35.5) v1(141.2,53.4) v1(141.3,22.3) v1(141.6,73.8) v1(141.7,76.3) v1(141.7,23) v1(141.7,12.4) v1(141.9,56.2) v1(142,69.2) v1(142.1,72) v1(142.1,52.9) v1(142.1,46.4) v1(142.1,43.8) v1(142.2,49.8) v1(142.2,48.9) v1(142.2,45.2) v1(142.4,59.8) v1(142.4,57.5) v1(142.4,10.3) v1(142.5,66.5) v1(142.5,65.5) v1(142.7,69.9) v1(142.7,23.3) v1(142.8,32.1) v1(142.9,67.7) v1(142.9,35.5) v1(142.9,33.2) v1(143,73.9) v1(143.1,50.3) v1(143.3,65) v1(143.3,47.3) v1(143.4,42.8) v1(143.5,44.8) v1(143.6,63) v1(143.7,12) v1(143.9,13) v1(144.1,60.2) v1(144.4,15.5) v1(144.5,28.4) v1(145.3,28.3) v1(145.5,65.2) v1(145.5,63) v1(145.7,29) v1(145.8,30.8) v1(145.8,29.9)
Board_3-GPIO15: length 40.9
  Top w0.254: K32#2.1 117.81,79.61 114.4,76.2 v1(114.4,74.8) ; v1(102.3,51.7) 102.3,50.1 101.2,49 JP3#4.3
  Bottom w0.254: v1(114.4,74.8) 111.2,71.6 111.2,61.3 102.3,52.4 v1(102.3,51.7)
Board_3-GPIO_0: length 43.8
  Top w0.254: v1(106.43,17.12) 102.58,17.12 99.5,20.2 99.5,27.7 100,28.2 100,34.3 101.2,35.5 JP4#4.1